# Altium PCB SensorGroupA.PcbDoc
Units mm, origin at the board's own origin, x right, y up, seen from the top; angles counter-clockwise.
Board outline 99.5 x 79 mm, 2 copper layers (Top Layer, Bottom Layer); 47 components, 19 nets, 149 pads, 38 vias.
Unrouted connection lines stored in the file: 5.
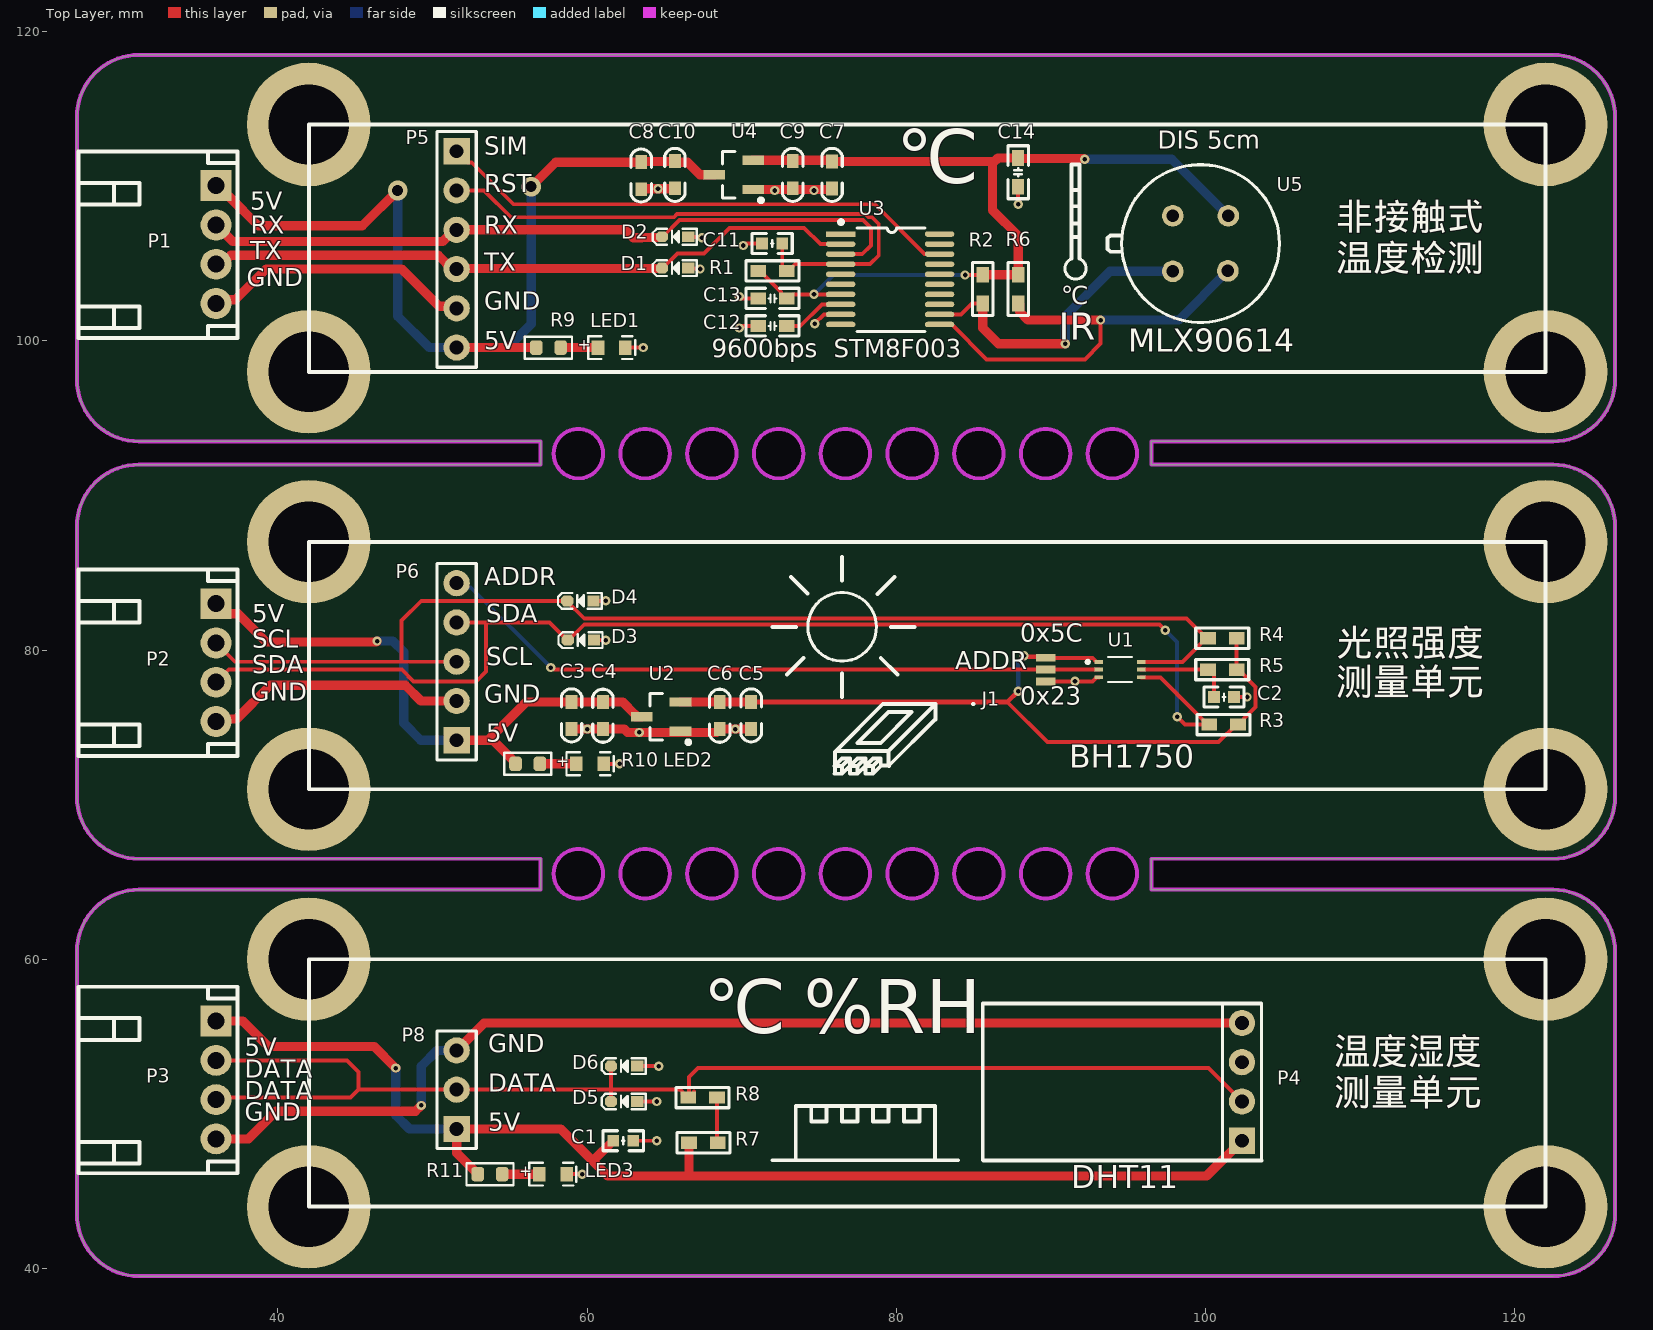
[diagram p0: Top Layer view]
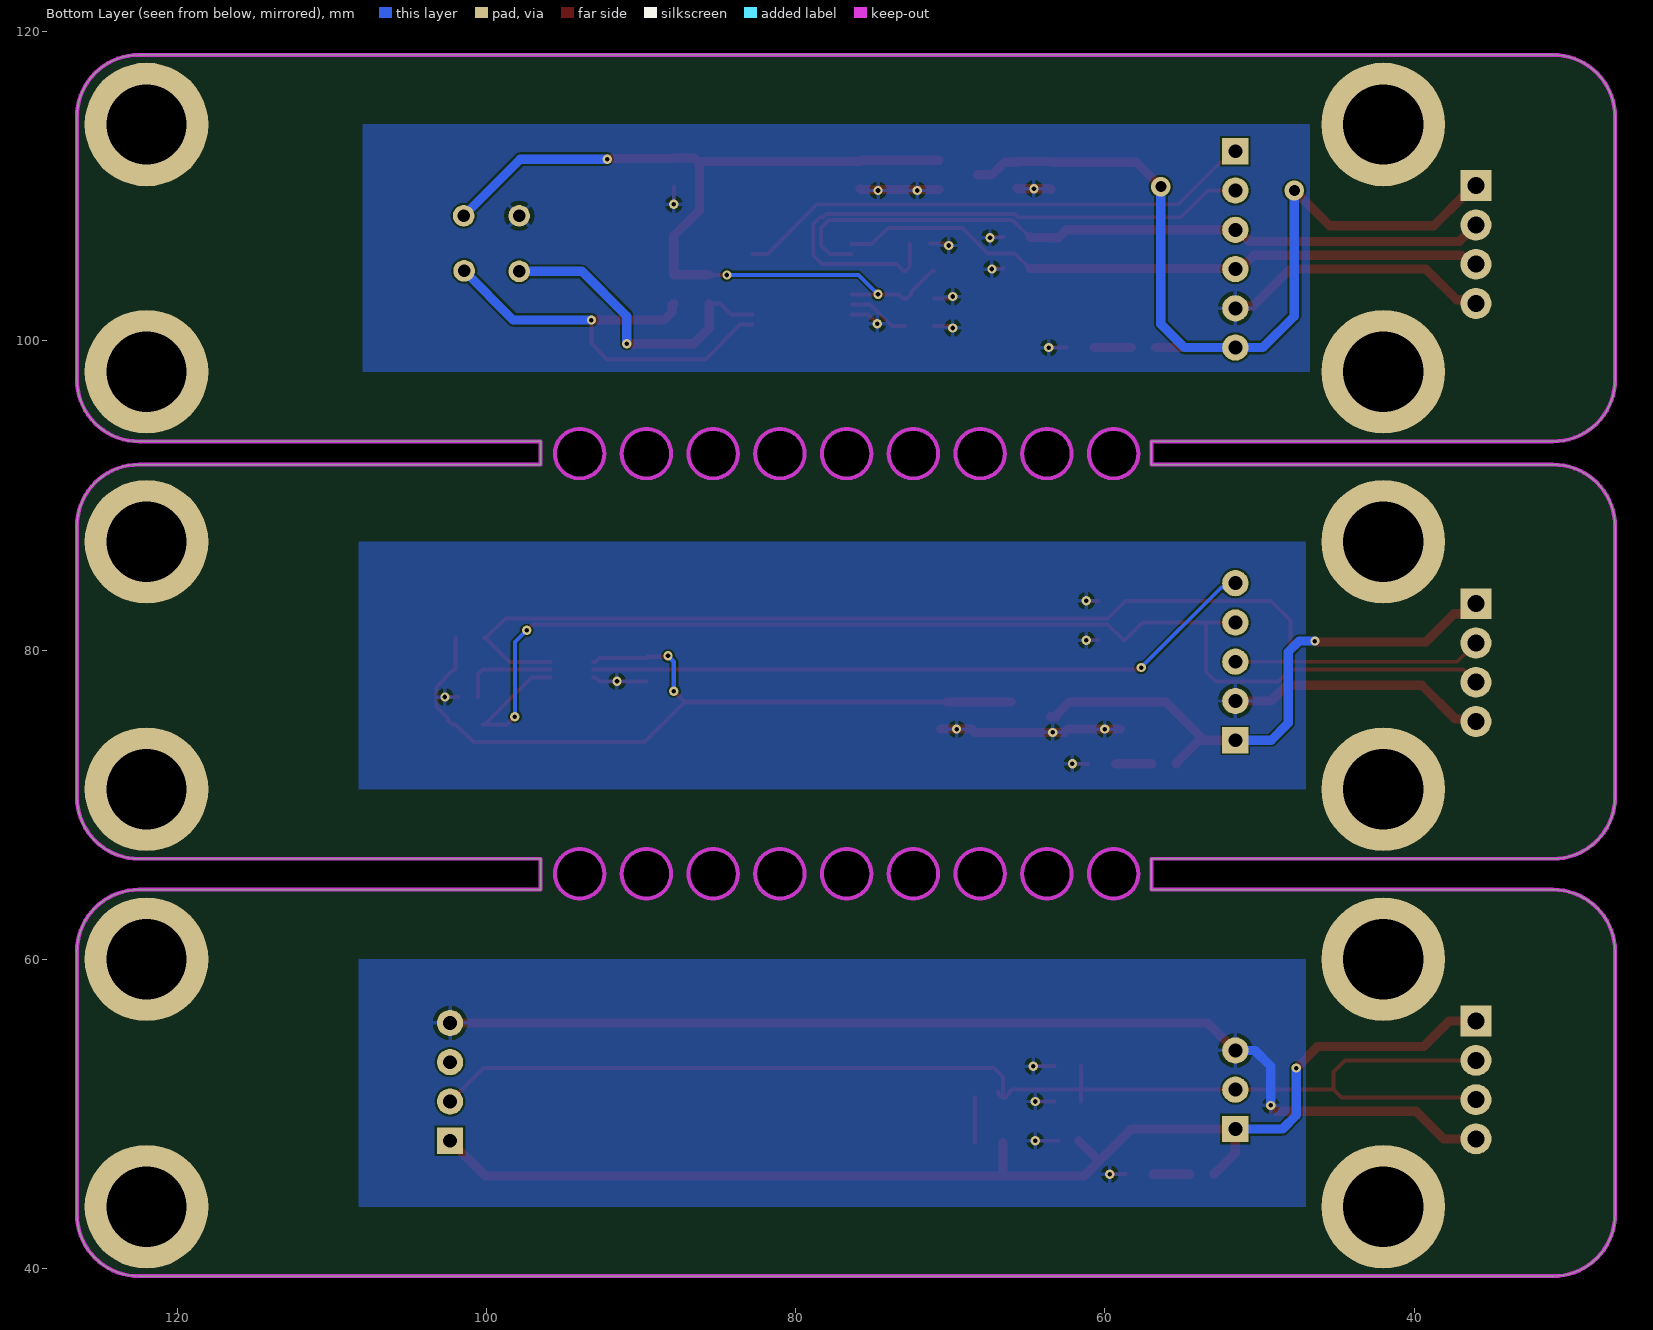
[diagram p1: Bottom Layer view, seen from below]

## Layer stack, top to bottom
Top Solder: solder mask 0.0102, Solder Resist, Dk 3.5
Top Layer: signal copper 0.0356
Dielectric 1: dielectric 0.32, FR-4, Dk 4.8
Bottom Layer: signal copper 0.0356
Bottom Solder: solder mask 0.0102, Solder Resist, Dk 3.5

## Board outline
27,60.5 cw(c31,60.5) 31,64.5 57,64.5 57,66.5 31,66.5 cw(c31,70.5) 27,70.5 27,88 cw(c31,88) 31,92 57,92 57,93.5 31,93.5 cw(c31,97.5) 27,97.5 27,114.5 cw(c31,114.5) 31,118.5 122.5,118.5 cw(c122.5,114.5) 126.5,114.5 126.5,97.5 cw(c122.5,97.5) 122.5,93.5 96.5,93.5 96.5,92 122.5,92 cw(c122.5,88) 126.5,88 126.5,70.5 cw(c122.5,70.5) 122.5,66.5 96.5,66.5 96.5,64.5 122.5,64.5 cw(c122.5,60.5) 126.5,60.5 126.5,44.5 126.5,43.5 cw(c122.5,43.5) 122.5,39.5 31,39.5 cw(c31,43.5) 27,43.5
cut-out: 92.395,65.491 ccw(c93.995,65.491) 93.995,63.891 ccw(c93.995,65.491) 95.595,65.491 ccw(c93.995,65.491) 93.995,67.091 ccw(c93.995,65.491)
cut-out: 89.677,63.891 cw(c89.677,65.491) 88.077,65.491 cw(c89.677,65.491) 89.677,67.091 cw(c89.677,65.491) 91.277,65.491 cw(c89.677,65.491)
cut-out: 85.359,63.891 cw(c85.359,65.491) 83.759,65.491 cw(c85.359,65.491) 85.359,67.091 cw(c85.359,65.491) 86.959,65.491 cw(c85.359,65.491)
cut-out: 81.041,63.891 cw(c81.041,65.491) 79.441,65.491 cw(c81.041,65.491) 81.041,67.091 cw(c81.041,65.491) 82.641,65.491 cw(c81.041,65.491)
cut-out: 76.723,63.891 cw(c76.723,65.491) 75.123,65.491 cw(c76.723,65.491) 76.723,67.091 cw(c76.723,65.491) 78.323,65.491 cw(c76.723,65.491)
cut-out: 72.405,63.891 cw(c72.405,65.491) 70.805,65.491 cw(c72.405,65.491) 72.405,67.091 cw(c72.405,65.491) 74.005,65.491 cw(c72.405,65.491)
cut-out: 68.087,63.891 cw(c68.087,65.491) 66.487,65.491 cw(c68.087,65.491) 68.087,67.091 cw(c68.087,65.491) 69.687,65.491 cw(c68.087,65.491)
cut-out: 63.769,63.891 cw(c63.769,65.491) 62.169,65.491 cw(c63.769,65.491) 63.769,67.091 cw(c63.769,65.491) 65.369,65.491 cw(c63.769,65.491)
cut-out: 59.451,63.891 cw(c59.451,65.491) 57.851,65.491 cw(c59.451,65.491) 59.451,67.091 cw(c59.451,65.491) 61.051,65.491 cw(c59.451,65.491)
cut-out: 59.436,91.11 cw(c59.436,92.71) 57.836,92.71 cw(c59.436,92.71) 59.436,94.31 cw(c59.436,92.71) 61.036,92.71 cw(c59.436,92.71)
cut-out: 63.754,91.11 cw(c63.754,92.71) 62.154,92.71 cw(c63.754,92.71) 63.754,94.31 cw(c63.754,92.71) 65.354,92.71 cw(c63.754,92.71)
cut-out: 68.072,91.11 cw(c68.072,92.71) 66.472,92.71 cw(c68.072,92.71) 68.072,94.31 cw(c68.072,92.71) 69.672,92.71 cw(c68.072,92.71)
cut-out: 72.39,91.11 cw(c72.39,92.71) 70.79,92.71 cw(c72.39,92.71) 72.39,94.31 cw(c72.39,92.71) 73.99,92.71 cw(c72.39,92.71)
cut-out: 76.708,91.11 cw(c76.708,92.71) 75.108,92.71 cw(c76.708,92.71) 76.708,94.31 cw(c76.708,92.71) 78.308,92.71 cw(c76.708,92.71)
cut-out: 81.026,91.11 cw(c81.026,92.71) 79.426,92.71 cw(c81.026,92.71) 81.026,94.31 cw(c81.026,92.71) 82.626,92.71 cw(c81.026,92.71)
cut-out: 85.344,91.11 cw(c85.344,92.71) 83.744,92.71 cw(c85.344,92.71) 85.344,94.31 cw(c85.344,92.71) 86.944,92.71 cw(c85.344,92.71)
cut-out: 89.662,91.11 cw(c89.662,92.71) 88.062,92.71 cw(c89.662,92.71) 89.662,94.31 cw(c89.662,92.71) 91.262,92.71 cw(c89.662,92.71)
cut-out: 92.38,92.71 ccw(c93.98,92.71) 93.98,91.11 ccw(c93.98,92.71) 95.58,92.71 ccw(c93.98,92.71) 93.98,94.31 ccw(c93.98,92.71)

## Design rules (kind name [scope] priority, off if disabled: settings)
Clearance [All] p1: gap=0.127 ignorepadtopadclearanceinfootprint=FALSE except(0: Arc-Hole Track-Hole SMDPad-Hole THPad-Hole Via-Hole Fill-Hole Poly-Hole Region-Hole Text-Hole)
PolygonConnect [All] p1: connectstyle=Relief reliefconductorwidth=0.254 reliefentries=4 polygonreliefangle="90 Angle" airgapwidth=0.254
RoutingVias [All] p1: holewidth=0.3 width=0.6 viastyle="Through Hole" minholewidth=0.3 minwidth=0.6 maxholewidth=20 maxwidth=20
SolderMaskExpansion [All] p1: expansion=0.102 istentingtop=FALSE
Width [All] p1: maxlimit=2.54 minlimit=0.127 preferedwidth=0.254
30 further rules are at their usual default settings.

## Components (designator, comment, footprint, x,y, rotation, side; value= is the part's Value field where it differs from the comment)
C1 "CAP" "C 0603_L" 62.342,48.26 r180 top value=100nF
C2 "CAP" "C 0603_L" 101.204,76.962 r180 top value=100nF
C3 "104" "C 0603" 58.994,75.778 r90 top
C4 "105" "C 0603" 61.026,75.753 r270 top
C5 "104" "C 0603" 70.612,75.778 r90 top
C6 "105" "C 0603" 68.58,75.753 r270 top
C7 "104" "C 0603" 75.845,110.743 r90 top
C8 "104" "C 0603" 63.5,110.702 r90 top
C9 "105" "C 0603" 73.305,110.743 r270 top
C10 "105" "C 0603" 65.685,110.743 r270 top
C11 "CAP" "C 0603_L" 71.974,106.303 r0 top value=100nF
C12 "CAP" "C 0603_M" 71.997,100.969 r0 top value=100nF
C13 "CAP" "C 0603_M" 71.997,102.747 r0 top value=100nF
C14 "CAP" "C 0603_M" 87.884,110.909 r90 top value=100nF
D1 "TVS" SOD-523 65.698,104.708 r180 top
D2 "TVS" SOD-523 65.698,106.74 r180 top
D3 "TVS" SOD-523 59.602,80.645 r180 top
D4 "TVS" SOD-523 59.563,83.185 r180 top
D5 "TVS" SOD-523 62.396,50.8 r180 top
D6 "TVS" SOD-523 62.396,53.086 r180 top
J1 "3P" 3P 89.687,78.359 r90 top
LED1 "LED3" 0603-led 60.706,99.568 r0 top
LED2 "LED3" 0603-led 59.309,72.644 r0 top
LED3 "LED3" 0603-led 56.896,46.101 r0 top
P1 "USART6" KF2EDGK-2.54-WI-4P 36,106.23 r270 top
P2 "USART6" KF2EDGK-2.54-WI-4P 36,79.19 r270 top
P3 "ADC_IN4" KF2EDGK-2.54-WI-4P 36,52.19 r270 top
P4 "Header 4" HDR2.54-LI-4P 102.362,52.07 r90 top
P5 "Header 6" HDR2.54-LI-6P 51.562,105.918 r270 top
P6 "Header 5" HDR2.54-LI-5P 51.562,79.248 r90 top
P8 "Header 3" HDR2.54-LI-3P 51.562,51.562 r90 top
R1 "0805" "R 0603" 71.997,104.525 r0 top value=10k
R2 "0603" "R 0603" 85.598,103.349 r270 top value=4.7k
R3 "0603" "R 0603" 101.181,75.184 r180 top value=4.7k
R4 "0603" "R 0603" 101.092,80.772 r180 top value=4.7k
R5 "0603" "R 0603" 101.092,78.74 r180 top value=1k
R6 "0603" "R 0603" 87.884,103.349 r270 top value=4.7k
R7 "0603" "R 0603" 67.526,48.133 r0 top value=1k
R8 "0603" "R 0603" 67.475,51.054 r180 top value=1k
R9 "10K" 0603 58.393,99.568 r180 top
R10 "10K" 0603 57.05,72.644 r180 top
R11 "10K" 0603 54.61,46.101 r180 top
U1 "BH1750FVI-TR" XDCR_BH1750FVI-TR 94.488,78.74 r0 top
U2 "LM1117" SOT23-3M 66.04,75.692 r90 top
U3 "STM8S003F3" TSSOP20 76.404,106.912 r0 top
U4 "LM1117" SOT23-3M 70.739,110.743 r90 top
U5 "MLX90614" MLX90614 99.684,106.298 r135 top

## Footprints (in the part's own frame and the unit in brackets; to place one, negate y for a bottom-side part, rotate by r counter-clockwise, add the part's x,y. Pads: shape width x height; smd on the part's side, far side on the other; paste and mask are expansions set on the pad)
3P [mil]
  rect 20x50 smd: 1(-15,1) 2(15,1) 3(45,1)
0603 [mil]
  rrect50% 32x37 smd: 1(3.94,0) 2(66.06,0)
  silkscreen extent -25,-28 95,28, body extent 4,-16 67,16, height 18
0603-led [mil]
  rect 32x37 smd: 1(0,0) 2(70,0)
  silkscreen extent -25,-29 95,29, body extent 2,-18 68,18, height 35
"C 0603" [mil] "无极性贴片电容"
  rect 35x30 smd: 1(-35,0) 2(34,0)
  silkscreen extent -67,-26 67,26, body extent -31,-16 31,16, height 32
"C 0603_L" [mil] "无极性贴片电容"
  rect 30x30 smd: 1(-25.59,0) 2(25.59,0)
  silkscreen extent -51,-26 51,26, body extent -31,-16 31,16, height 32
"C 0603_M" [mil] "无极性贴片电容"
  rect 40x30 smd: 1(-36.5,0) 2(36.5,0)
  silkscreen extent -68,-26 68,26, body extent -31,-16 31,16, height 32
HDR2.54-LI-3P [mm] "排针，3脚"
  rect 1.7x1.7 hole 0.9: 1(-2.54,0)
  round 1.7 hole 0.9: 2(0,0) 3(2.54,0)
  silkscreen extent -3.81,-1.27 3.81,1.27, body extent -3.81,-1.27 3.81,1.27, height 8.5
HDR2.54-LI-4P [mm] "排针，4脚"
  rect 1.7x1.7 hole 0.9: 1(-3.81,0)
  round 1.7 hole 0.9: 2(-1.27,0) 3(1.27,0) 4(3.81,0)
  silkscreen extent -5.08,-1.27 5.08,1.27, body extent -5.08,-1.27 5.08,1.27, height 8.5
HDR2.54-LI-5P [mm] "排针，5脚"
  rect 1.7x1.7 hole 0.9: 1(-5.08,0)
  round 1.7 hole 0.9: 2(-2.54,0) 3(0,0) 4(2.54,0) 5(5.08,0)
  silkscreen extent -6.35,-1.27 6.35,1.27, body extent -6.35,-1.27 6.35,1.27, height 8.5
HDR2.54-LI-6P [mm] "排针，6脚"
  rect 1.7x1.7 hole 0.9: 1(-6.35,0)
  round 1.7 hole 0.9: 2(-3.81,0) 3(-1.27,0) 4(1.27,0) 5(3.81,0) 6(6.35,0)
  silkscreen extent -7.62,-1.27 7.62,1.27, body extent -7.62,-1.27 7.62,1.27, height 8.5
KF2EDGK-2.54-WI-4P [mm] "长：12.06mm，宽：10.1mm，高：8.1mm"
  rect 2x2 hole 1.1: 1(-3.81,0)
  round 2 hole 1.1: 2(-1.27,0) 3(1.27,0) 4(3.81,0)
  silkscreen extent -6.03,-8.9 6.03,1.39, body extent -6.03,-8.9 6.03,1.2, height 8.15
MLX90614 [mm]
  round 1.4 hole 0.8: 1(0,2.54) 2(-2.5,0) 3(0,-2.54) 4(2.54,0)
  silkscreen extent -5.1,-5.1 5.1,5.1
"R 0603" [mil] "1/10W贴片电阻"
  rect 40x31.5 smd: 1(-36.5,0) 2(36.5,0)
  silkscreen extent -68,-26 68,26, body extent -31,-16 32,16, height 16
SOD-523 [mm] "1.2x0.8X0.6mm（长宽高，不包括引脚）"
  rect 0.8x0.7 smd: 1(-0.85,0)
  oct 0.8x0.7 smd: 2(0.85,0)
  silkscreen extent -1.4,-0.51 1.45,0.51, body extent -0.8,-0.4 0.8,0.4, height 0.65
SOT23-3M [mm] "3x1.3x1mm(长宽高)"
  rect 0.6x1.4 smd: 1(-0.95,0) 2(0.95,0) 3(0,2.514)
  silkscreen extent -1.78,-0.63 1.5,1.97, body extent -1.5,0.07 1.5,2.47, height 1.05
TSSOP20 [mm] "20-pin, 4.40 mm body, 0.65 mm pitch"
  rect 1.9x0.356 smd: 1(0,0)
  oval 1.9x0.356 smd: 2(0,-0.65) 3(0,-1.3) 4(0,-1.95) 5(0,-2.6) 6(0,-3.25) 7(0,-3.9) 8(0,-4.55) 9(0,-5.2) 10(0,-5.85) 11(6.4,-5.85) 12(6.4,-5.2) 13(6.4,-4.55) 14(6.4,-3.9) 15(6.4,-3.25) 16(6.4,-2.6) 17(6.4,-1.95) 18(6.4,-1.3) 19(6.4,-0.65) 20(6.4,0)
  silkscreen extent -0.1,-6.3 5.45,0.9
XDCR_BH1750FVI-TR [mm]
  rect 0.55x0.25 smd: 1(-1.375,0.5) 2(-1.375,0) 3(-1.375,-0.5) 4(1.375,-0.5) 5(1.375,0) 6(1.375,0.5)
  silkscreen extent -2.2,-0.8 0.78,0.8

## Part data
C3 C4 C5 C6 C7 C8 C9 C10: library part C, "无极性贴片电容", BOM名称=无极性贴片电容, 学习资源=www.ooocke.com, 版权归属=源创客
D1 D2 D3 D4 D5 D6: library part D, "High Conductance Fast Diode", Code_JEDEC=DO-204-AH, ComponentLink1Description="Manufacturer Link", ComponentLink1URL=http://www.fairchildsemi.com/, ComponentLink2Description=Datasheet, ComponentLink2URL=http://www.fairchildsemi.com/ds/1N%2F1N4148.pdf, DatasheetVersion=1997, LatestRevisionDate=17-Jul-2002, LatestRevisionNote="Re-released for DXP Platform.", PackageDescription="Diode, Axial; Body 3.8 x 1.9 mm (LxDia. max), Lead Dia. 0.53 mm (max)", PackageReference=DO-35, Published=8-Jun-2000, Publisher="Altium Limited"
LED1 LED2 LED3: library part CP_DIOLED, "DIODE LED"
P1 P2 P3: library part "Header 4", "Header, 4-Pin", LatestRevisionDate=17-Jul-2002, LatestRevisionNote="Re-released for DXP Platform.", Publisher="Altium Limited"
P4: "Header, 4-Pin", LatestRevisionDate=17-Jul-2002, LatestRevisionNote="Re-released for DXP Platform.", Publisher="Altium Limited"
P5: "Header, 6-Pin", LatestRevisionDate=17-Jul-2002, LatestRevisionNote="Re-released for DXP Platform.", Publisher="Altium Limited"
P6: "Header, 5-Pin", LatestRevisionDate=17-Jul-2002, LatestRevisionNote="Re-released for DXP Platform.", Publisher="Altium Limited"
P8: "Header, 3-Pin", LatestRevisionDate=17-Jul-2002, LatestRevisionNote="Re-released for DXP Platform.", Publisher="Altium Limited"
R1 R2 R3 R4 R5 R6 R7 R8: library part RES2, "Resistor", LatestRevisionDate=17-Jul-2002, LatestRevisionNote="Re-released for DXP Platform.", PackageDescription="Axial Device, Thru-Hole; 2 Leads; 0.3 in Pin Spacing", PackageReference=AXIAL-0.3, Published=8-Jun-2000, Publisher="Altium Limited"
R9 R10 R11: library part RES2
U1: "Optical Sensor Ambient 560nm IÂ²C 6-SMD, Flat Lead Exposed Pad", Package="SMD-6 Rohm", Availability=Unavailable, MF=Rohm, MP=BH1750FVI-TR, Price=None, SnapEDA_Link=https://www.snapeda.com/parts/BH1750FVI-TR/Rohm/view-part/106507/?ref=snap
U3: "8位STM单片机", BOM名称=8位STM单片机, 学习资源=www.ooocke.com, 版权归属=源创客

## Free pads (board coordinates)
  round 8 hole 5.2: 0(42,44) 0(42,60) 0(42,71) 0(42,87) 0(42,98) 0(42,114) 0(122,44) 0(122,60) 0(122,71) 0(122,87) 0(122,98) 0(122,114)

## Via types
v1: diameter 0.6, hole 0.3, Top Layer to Bottom Layer, tented both sides, 36 vias
v2: diameter 1.27, hole 0.711, Top Layer to Bottom Layer, tented both sides, 2 vias

## Nets (pads, with @x,y where several pads share a name; then routed paths per layer and width w, separated by ;. In a path a pad name is that pad's centre, name@x,y a point inside that pad or via, vN(x,y) a via of type N, cw(c..) or ccw(c..) an arc to the next point about the centre after c; other vN are vias at no path point)
ADDR: J1.2 P6.5 U1.2 | length 43.9
  Top Layer w0.254: v1(57.658,78.867) 57.752,78.867 57.879,78.74 J1.2 U1.2
  Bottom Layer w0.254: P6.5 51.839,84.051 52.474,84.051 v1(57.658,78.867)
GND: C1.1 C2.1 C3.1 C4.2 C5.1 C6.2 C7.1 C8.1 C9.2 C10.2 C11.1 C12.1 C13.1 C14.1 D1.1 D2.1 D3.1 D4.1 D5.1 D6.1 J1.1 LED1.2 LED2.2 LED3.2 P1.4 P2.4 P3.4 P4.4 P5.5 P6.2 P8.3 U1.3 U2.1 U3.9 U4.1 U5.4 | length 146.5
  Top Layer w0.254: LED3.2 v1(59.69,46.101) ; D4.1 v1(61.214,83.185) ; D3.1 v1(61.214,80.645) ; LED2.2 v1(62.103,72.644) ; LED1.2 v1(63.627,99.568) ; C1.1 v1(64.516,48.26) ; D5.1 v1(64.516,50.8) ; D6.1 v1(64.643,53.086) ; D1.1 66.578,104.678 67.28,104.678 v1(67.31,104.648) ; D2.1 66.578,106.71 67.407,106.71 v1(67.437,106.68) ; v1(69.85,100.838) 69.944,100.838 70.075,100.969 C12.1 ; v1(69.85,102.87) 69.944,102.87 70.067,102.747 C13.1 ; v1(70.104,106.172) 70.198,106.172 70.329,106.303 C11.1 ; v1(74.72,101.114) 75.318,101.712 U3.9 ; v1(87.884,108.839) C14.1 ; J1.1 92.705,77.978 92.967,78.24 U1.3 ; C2.1 v1(102.697,76.962)
  Top Layer w0.6: P3.4 38.093,48.38 39.878,50.165 48.895,50.165 v1(49.276,50.546) ; P2.4 36.167,75.547 37.32,75.547 39.497,77.724 48.247,77.724 49.263,76.708 P6.2 ; P1.4 36.236,102.656 37.251,102.656 39.243,104.648 48.006,104.648 50.417,102.237 51.433,102.237 P5.5 ; P8.3 53.34,55.88 P4.4 ; C3.1 C4.2 62.398,74.889 62.611,74.676 68.367,74.676 68.435,74.745 68.499,74.745 68.58,74.826 C6.2 C5.1 ; C8.1 63.533,109.847 65.652,109.847 C10.2 ; U4.1 75.784,109.793 C7.1
  Bottom Layer w0.6: v1(49.276,50.546) 49.276,53.086 50.29,54.1 51.56,54.1 P8.3
  other v1: 63.373,74.676 60.01,74.889 69.596,74.889 91.567,77.978 72.136,109.728 74.676,109.728 64.593,109.847
IIC2_SCL_H4: D4.2 P2.2 P6.3 R4.2 U1.6 | length 77.3
  Top Layer w0.254: P2.2 37.212,79.248 48.006,79.248 ; P6.3 48.006,79.248 ; U1.6 98.525,79.24 R4.2@100.057,80.772 ; R4.2 R4.2@100.057,80.772 ; 48.006,79.248 48.006,81.915 49.276,83.185 D4.2 58.713,83.146 59.817,82.042 98.787,82.042 R4.2@100.057,80.772
IIC2_SDA_H5: D3.2 P2.3 P6.4 R3.2 U1.4 | length 82.2
  Top Layer w0.254: P2.3 36.82,78.74 47.407,78.74 48.014,78.74 48.776,77.978 52.832,77.978 53.467,78.613 53.467,81.788 ; P6.4 53.467,81.788 ; U1.4 97.09,78.24 98.425,76.905 R3.2@100.146,75.184 ; v1(97.409,81.28) 97.028,81.661 59.818,81.661 58.802,80.645 D3.2 58.702,80.645 57.559,81.788 53.467,81.788 ; v1(98.171,75.692) 98.679,75.184 R3.2@100.146,75.184 ; R3.2 R3.2@100.146,75.184
  Bottom Layer w0.254: v1(97.409,81.28) 98.171,80.518 v1(98.171,75.692)
NetC2_2: C2.2 R5.2 U1.5 | length 6.3
  Top Layer w0.254: U1.5 R5.2 100.273,78.74 100.554,78.459 C2.2
NetC12_2: C12.2 U3.8 | length 4.1
  Top Layer w0.254: C12.2 73.791,100.969 75.184,102.362 U3.8
NetD5_2: D5.2 D6.2 P3.2 P3.3 P4.2 P8.2 R8.2 | length 82.9
  Top Layer w0.254: P3.3 36.134,51.054 44.704,51.054 45.212,51.562 ; P3.2 44.457,53.46 45.212,52.705 45.212,51.562 ; D5.2 61.546,51.562 ; D6.2 61.546,51.64 61.468,51.562 ; R8.2@66.929,51.435 66.929,51.327 66.656,51.054 R8.2@66.602,51.054 ; P4.2 100.203,52.959 67.183,52.959 66.602,52.378 R8.2@66.602,51.054 ; 45.212,51.562 P8.2 61.468,51.562 ; 61.468,51.562 61.546,51.562 ; 61.546,51.562 66.018,51.562 66.167,51.413 66.167,51.327 66.44,51.054 R8.2 R8.2@66.602,51.054
NetLED1_1: LED1.1 R9.1 | length 2.4
  Top Layer w0.6: R9.1 LED1.1
NetLED2_1: LED2.1 R10.1 | length 2.4
  Top Layer w0.6: R10.1 LED2.1
NetLED3_1: LED3.1 R11.1 | length 2.4
  Top Layer w0.6: R11.1 LED3.1
NetR2_2: R2.2 U3.12 U5.1 | length 20.4
  Top Layer w0.254: U3.12 84.186,101.712 84.896,102.422 R2.2
  Top Layer w0.6: R2.2 85.598,100.838 86.614,99.822 v1(90.932,99.822)
  Bottom Layer w0.6: v1(90.932,99.822) 90.932,101.6 93.834,104.502 U5.1
NetR6_2: R6.2 U3.11 U5.2 | length 28.9
  Top Layer w0.254: U3.11 83.596,101.062 85.852,98.806 92.202,98.806 93.218,99.822 v1(93.218,101.346)
  Top Layer w0.6: R6.2 87.984,102.322 87.984,101.881 88.519,101.346 v1(93.218,101.346)
  Bottom Layer w0.6: v1(93.218,101.346) 98.267,101.346 U5.2
NetR7_2: R7.2 R8.1 | length 2.9
  Top Layer w0.254: R8.1 68.402,48.184 R7.2
RST: C11.2 P5.2 R1.2 U3.4 | length 38.7
  Top Layer w0.254: P5.2 53.34,109.728 55.068,108 65.619,108 65.823,108.204 78.009,108.204 78.213,108 78.436,108 78.867,107.569 78.867,105.537 78.292,104.962 U3.4 73.469,104.962 73.032,104.525 R1.2 72.897,104.525 72.624,104.798 C11.2
SIM: P5.1 U3.18 | length 34
  Top Layer w0.254: P5.1 52.285,111.545 52.539,111.545 55.245,108.839 78.613,108.839 81.821,105.631 82.785,105.631 U3.18
USART6_RX_G9: D1.2 P1.3 P5.4 U3.2 | length 42.6
  Top Layer w0.254: D1.2 64.898,104.708 65.854,105.664 67.564,105.664 69.215,107.315 74.041,107.315 75.094,106.262 U3.2
  Top Layer w0.6: P1.3 36.379,104.96 36.956,105.537 50.375,105.537 51.264,104.648 P5.4 51.592,104.678 64.818,104.678 D1.2
USART6_TX_G14: D2.2 P1.2 P5.3 U3.3 | length 47.3
  Top Layer w0.254: D2.2 64.898,106.74 65.981,107.823 77.851,107.823 78.359,107.315 78.359,106.172 77.799,105.612 U3.3
  Top Layer w0.6: P1.2 37.074,106.426 50.661,106.426 51.423,107.188 62.484,107.188 62.992,106.68 63.538,106.68 63.548,106.69 64.798,106.69 D2.2
VCC_3V3: C5.2 C6.1 C7.2 C9.1 C13.2 C14.2 J1.3 R1.1 R2.1 R3.1 R4.1 R5.1 R6.1 U1.1 U2.2 U3.7 U4.2 U5.3 | length 113.2
  Top Layer w0.254: R1.1 71.178,104.525 72.543,103.16 72.543,103.001 72.797,102.747 C13.2 73.051,102.747 73.316,103.012 v1(74.676,103.012) U3.7 ; v1(84.455,104.267) 85.589,104.267 R2.1 ; 87.183,76.642 89.784,74.041 100.857,74.041 102,75.184 R3.1 102.216,75.184 102.489,75.457 102.489,75.565 103.251,76.327 103.251,77.616 102.127,78.74 R5.1 R4.1 ; J1.3 92.705,79.502 92.967,79.24 U1.1
  Top Layer w0.3: 70.218,76.642 C5.2 87.183,76.642 v1(87.884,77.343) ; v1(88.265,79.629) 88.322,79.572 89.592,79.572 J1.3
  Top Layer w0.6: U2.2 C6.1 70.218,76.642 ; U4.2 75.764,111.693 75.845,111.612 C7.2 86.111,111.607 86.233,111.485 ; R2.1 R6.1 87.884,106.807 86.233,108.458 86.233,111.485 ; v1(92.202,111.76) 92.164,111.798 87.922,111.798 C14.2 86.584,111.836 86.233,111.485
  Bottom Layer w0.254: v1(74.676,103.012) 75.931,104.267 v1(84.455,104.267)
  Bottom Layer w0.3: v1(87.884,77.343) 87.884,79.248 v1(88.265,79.629)
  Bottom Layer w0.6: v1(92.202,111.76) 97.814,111.76 U5.3
VCC_5V_S: C1.2 C3.2 C4.1 C8.2 C10.1 P1.1 P2.1 P3.1 P4.1 P5.6 P6.1 P8.1 R7.1 R9.2 R10.2 R11.2 U2.3 U4.3 | length 177.7
  Top Layer w0.6: P3.1 37.726,56 39.37,54.356 46.228,54.356 v1(47.625,52.959) ; P2.1 36.656,82.344 37.417,82.344 39.243,80.518 46.355,80.518 v1(46.419,80.581) ; P1.1 36.7,109.34 36.837,109.34 38.735,107.442 45.466,107.442 v2(47.752,109.728) ; P6.1 53.594,74.168 ; P5.6 R9.2 ; R11.2 52.932,46.164 52.826,46.271 52.762,46.271 51.562,47.471 P8.1 58.293,49.022 60.325,46.99 ; R10.2 55.372,72.707 53.911,74.168 53.594,74.168 ; v2(56.388,109.982) 57.972,111.566 C8.2 63.533,111.599 65.652,111.599 C10.1 65.766,111.551 66.503,111.551 67.311,110.743 U4.3 ; C1.2 60.422,46.99 60.325,46.99 ; U2.3 63.126,75.692 63.126,75.823 62.307,76.642 C4.1 C3.2 56.068,76.642 53.594,74.168 ; R7.1 66.599,46.152 66.421,45.974 ; P4.1 100.076,45.974 66.421,45.974 ; 60.325,46.99 61.341,45.974 66.421,45.974
  Bottom Layer w0.6: v1(46.419,80.581) 47.434,80.581 48.133,79.883 48.133,75.281 49.246,74.168 P6.1 ; v1(47.625,52.959) 47.625,49.911 48.514,49.022 P8.1 ; v2(47.752,109.728) 47.752,101.6 49.784,99.568 P5.6 54.864,99.568 56.388,101.092 v2(56.388,109.982)
pads on no net: P4.3 U3.1 U3.5 U3.6 U3.10 U3.13 U3.14 U3.15 U3.16 U3.17 U3.19 U3.20

## Polygon pours and split planes (outlines as drawn)
GND on Bottom Layer "NONET_L01_P-001" (solid, pour order 2): 47,60.046 47,44 108.264,44 108.264,60
GND on Bottom Layer "NONET_L01_P-001" (solid, pour order 1): 47,87.046 47,71 108.264,71 108.264,87
GND on Bottom Layer "NONET_L01_P-001" (solid, pour order 0): 46.736,114.046 46.736,98 108,98 108,114

## Keep-outs
Keep-Out Layer:
  circle w0.254: c59.436,65.532 r1.6
  circle w0.254: c63.754,65.532 r1.6
  circle w0.254: c68.072,65.532 r1.6
  circle w0.254: c72.39,65.532 r1.6
  circle w0.254: c76.708,65.532 r1.6
  circle w0.254: c81.026,65.532 r1.6
  circle w0.254: c85.344,65.532 r1.6
  circle w0.254: c89.662,65.532 r1.6
  circle w0.254: c93.98,65.532 r1.6
  circle w0.254: c93.98,92.71 r1.6
  circle w0.254: c89.662,92.71 r1.6
  circle w0.254: c85.344,92.71 r1.6
  circle w0.254: c81.026,92.71 r1.6
  circle w0.254: c76.708,92.71 r1.6
  circle w0.254: c72.39,92.71 r1.6
  circle w0.254: c68.072,92.71 r1.6
  circle w0.254: c63.754,92.71 r1.6
  circle w0.254: c59.436,92.71 r1.6
  lines w0.254: 126.5,44.5 126.5,44.5 ; 126.5,44.5 126.5,60.5 ccw(c122.5,60.5) 122.5,64.5 96.5,64.5 96.5,66.5 122.5,66.5 ccw(c122.5,70.5) 126.5,70.5 126.5,88 ; 126.5,44.5 126.5,43.5 cw(c122.5,43.5) 122.5,39.5 31,39.5 cw(c31,43.5) 27,43.5 27,60.5 cw(c31,60.5) 31,64.5 57,64.5 57,66.5 31,66.5 cw(c31,70.5) 27,70.5 27,88 cw(c31,88) 31,92 57,92 57,93.5 31,93.5 cw(c31,97.5) 27,97.5 27,114.5 cw(c31,114.5) 31,118.5 122.5,118.5 cw(c122.5,114.5) 126.5,114.5 ; 126.5,88 ccw(c122.5,88) 122.5,92 96.5,92 96.5,93.5 122.5,93.5 ccw(c122.5,97.5) 126.5,97.5 126.5,114.5 ; 126.5,88 126.5,88 ; 126.5,114.5 126.5,114.5

## Silkscreen, mask and mechanical layers (free items; w line width, h text height)
Top Overlay:
  circle w0.2: c76.5,81.5 r2.218
  lines w0.2: 91.346,105.316 ccw(c91.6,104.681) 91.854,105.316
  lines w0.254: 72,47 84,47 ; 72,81.5 73.524,81.5 ; 72.922,78.422 74,79.5 ; 73.188,84.732 74.266,83.655 ; 73.5,47 73.5,50.5 81.5,50.5 ; 74.5,50.5 74.5,49.5 75.5,49.5 75.5,50.5 76.5,50.5 76.5,49.5 77.5,49.5 77.5,50.5 78.5,50.5 78.5,49.5 79.5,49.5 79.5,50.5 80,50.5 ; 76.035,72.535 76.035,72.035 76,72 76.5,72 ; 76.5,76.976 76.5,78.5 ; 76.5,84.5 76.5,86.024 ; 78.801,83.641 79.878,84.719 ; 79,79.5 80.078,78.422 ; 79.516,72.516 82.5,75.5 ; 79.533,72.5 79.5,72.533 ; 79.649,81.5 81.173,81.5 ; 80.5,50.5 80.5,49.5 81.5,49.5 81.5,50.5 ; 82,47 82.5,47 82.5,50.5 81.5,50.5 ; 82.533,75.5 82.533,76.5 ; 84.967,76.5 85,76.5 ; 91.346,105.316 91.346,106.012 91.346,111.412 91.854,111.412 91.854,106.502 91.854,105.697 91.854,105.316 ; 91.346,106.713 91.854,106.713 ; 91.346,107.602 91.854,107.602 ; 91.346,108.712 91.821,108.712 91.854,108.745 ; 91.346,109.761 91.854,109.761 ; 103.598,57.15 85.598,57.15 85.598,47.024 85.632,46.99 103.632,46.99 ; 76.033,72.537 76.07,72.5 76.5,72.5 ; 76.033,72.537 76,72.504 76,72.5 76.5,73 77,73 ; 76.033,72.537 76.033,73.406 76.094,73.467 ; 76.094,73.467 79.5,73.467 ; 76.094,73.467 79.127,76.5 82.533,76.5 ; 76.5,72 77,72.5 ; 76.5,72 76.5,72 ; 76.5,72 76.5,72.5 ; 76.5,72.5 77,73 ; 77,72.5 77,73 ; 77,72.5 77,72 77.5,72 ; 77,72.5 77.5,72.5 ; 77,72.5 77.5,73 ; 77,73 77,73 ; 77.5,72 78,72.5 ; 77.5,72 77.5,72.5 ; 77.5,72.5 78,73 ; 77.5,73 77.5,73 ; 77.5,73 78,73 ; 77.5,73 77.5,73 ; 78,72.5 78,73 ; 78,72.5 78,72 78.5,72 ; 78,72.5 78,72.5 ; 78,72.5 78.5,72.5 ; 78,72.5 78.5,72.5 ; 78,72.5 78.5,73 ; 78.5,72 78.5,72.5 ; 78.5,72 79,72.5 ; 78.5,72.5 78.5,72.5 ; 78.5,72.5 78.5,72.5 ; 78.5,72.5 79,73 ; 78.5,73 79,73 ; 78.5,73 78.5,73 ; 79,72.5 79.033,72.533 79.5,72.533 ; 79,72.5 79,73 ; 79.5,72.533 79.5,73.467 ; 79.5,73.467 82.533,76.5 ; 42,44 122,44 122,60 42,60 42,44 ; 42,71 42,87 122,87 122,71 42,71 ; 42,98 122,98 122,114 42,114 42,98 ; 77.5,74 79,74 81,76 79.5,76 77.5,74
  text "DIS 5cm" at 96.903,112.033 h2
  text "SIM" at 53.34,111.652 h2
  text "RST" at 53.342,109.239 h2
  text "℃" at 80.006,109.05 h6
  text "5V" at 38.227,108.096 h2
  text "非接触式" at 108.458,106.607 h3
  text "RX" at 38.229,106.553 h2
  text "RX" at 53.342,106.553 h2
  text "TX" at 38.227,104.902 h2
  text "TX" at 53.34,104.14 h2
  text "温度检测" at 108.458,103.946 h3
  text "GND" at 37.975,103.143 h2
  text "℃" at 90.68,101.998 h2
  text "GND" at 53.342,101.619 h2
  text "IR" at 90.503,99.5 h3
  text "5V" at 53.34,99.079 h2
  text "MLX90614" at 94.998,98.829 h2.54
  text "STM8F003" at 75.946,98.571 h2
  text "9600bps" at 68.074,98.547 h2
  text "ADDR" at 53.34,83.82 h2
  text "5V" at 38.354,81.426 h2
  text "SDA" at 53.467,81.426 h2
  text "0x5C" at 88.011,80.156 h2
  text "SCL" at 38.354,79.775 h2
  text "光照强度" at 108.458,79.051 h3
  text "SCL" at 53.467,78.632 h2
  text "ADDR" at 83.82,78.359 h2
  text "SDA" at 38.354,78.124 h2
  text "测量单元" at 108.458,76.514 h3
  text "GND" at 38.229,76.346 h2
  text "GND" at 53.342,76.219 h2
  text "0x23" at 88.011,76.092 h2
  text "5V" at 53.467,73.679 h2
  text "BH1750" at 91.188,71.905 h2.54
  text "℃" at 67.506,54.05 h6
  text "%RH" at 74.006,54.05 h6
  text "GND" at 53.596,53.613 h2
  text "5V" at 37.846,53.359 h2
  text "温度湿度" at 108.331,52.632 h3
  text "DATA" at 37.848,51.943 h2
  text "DATA" at 53.596,51.054 h2
  text "DATA" at 37.848,50.546 h2
  text "测量单元" at 108.331,49.971 h3
  text "GND" at 37.848,49.168 h2
  text "5V" at 53.594,48.533 h2
  text "DHT11" at 91.315,44.704 h2.54

## Text inside footprints (layer, text, board x,y; h text height)
LED1: Top Overlay "+" at 59.411,99.162 h1.27
LED2: Top Overlay "+" at 58.014,72.238 h1.27
LED3: Top Overlay "+" at 55.601,45.695 h1.27